# Altium PCB PCB.PcbDoc
Units mm, origin at the board's own origin, x right, y up, seen from the top; angles counter-clockwise.
Board outline 86 x 86 mm, 2 copper layers (Top Layer, Bottom Layer); 60 components, 63 nets, 277 pads, 87 vias.
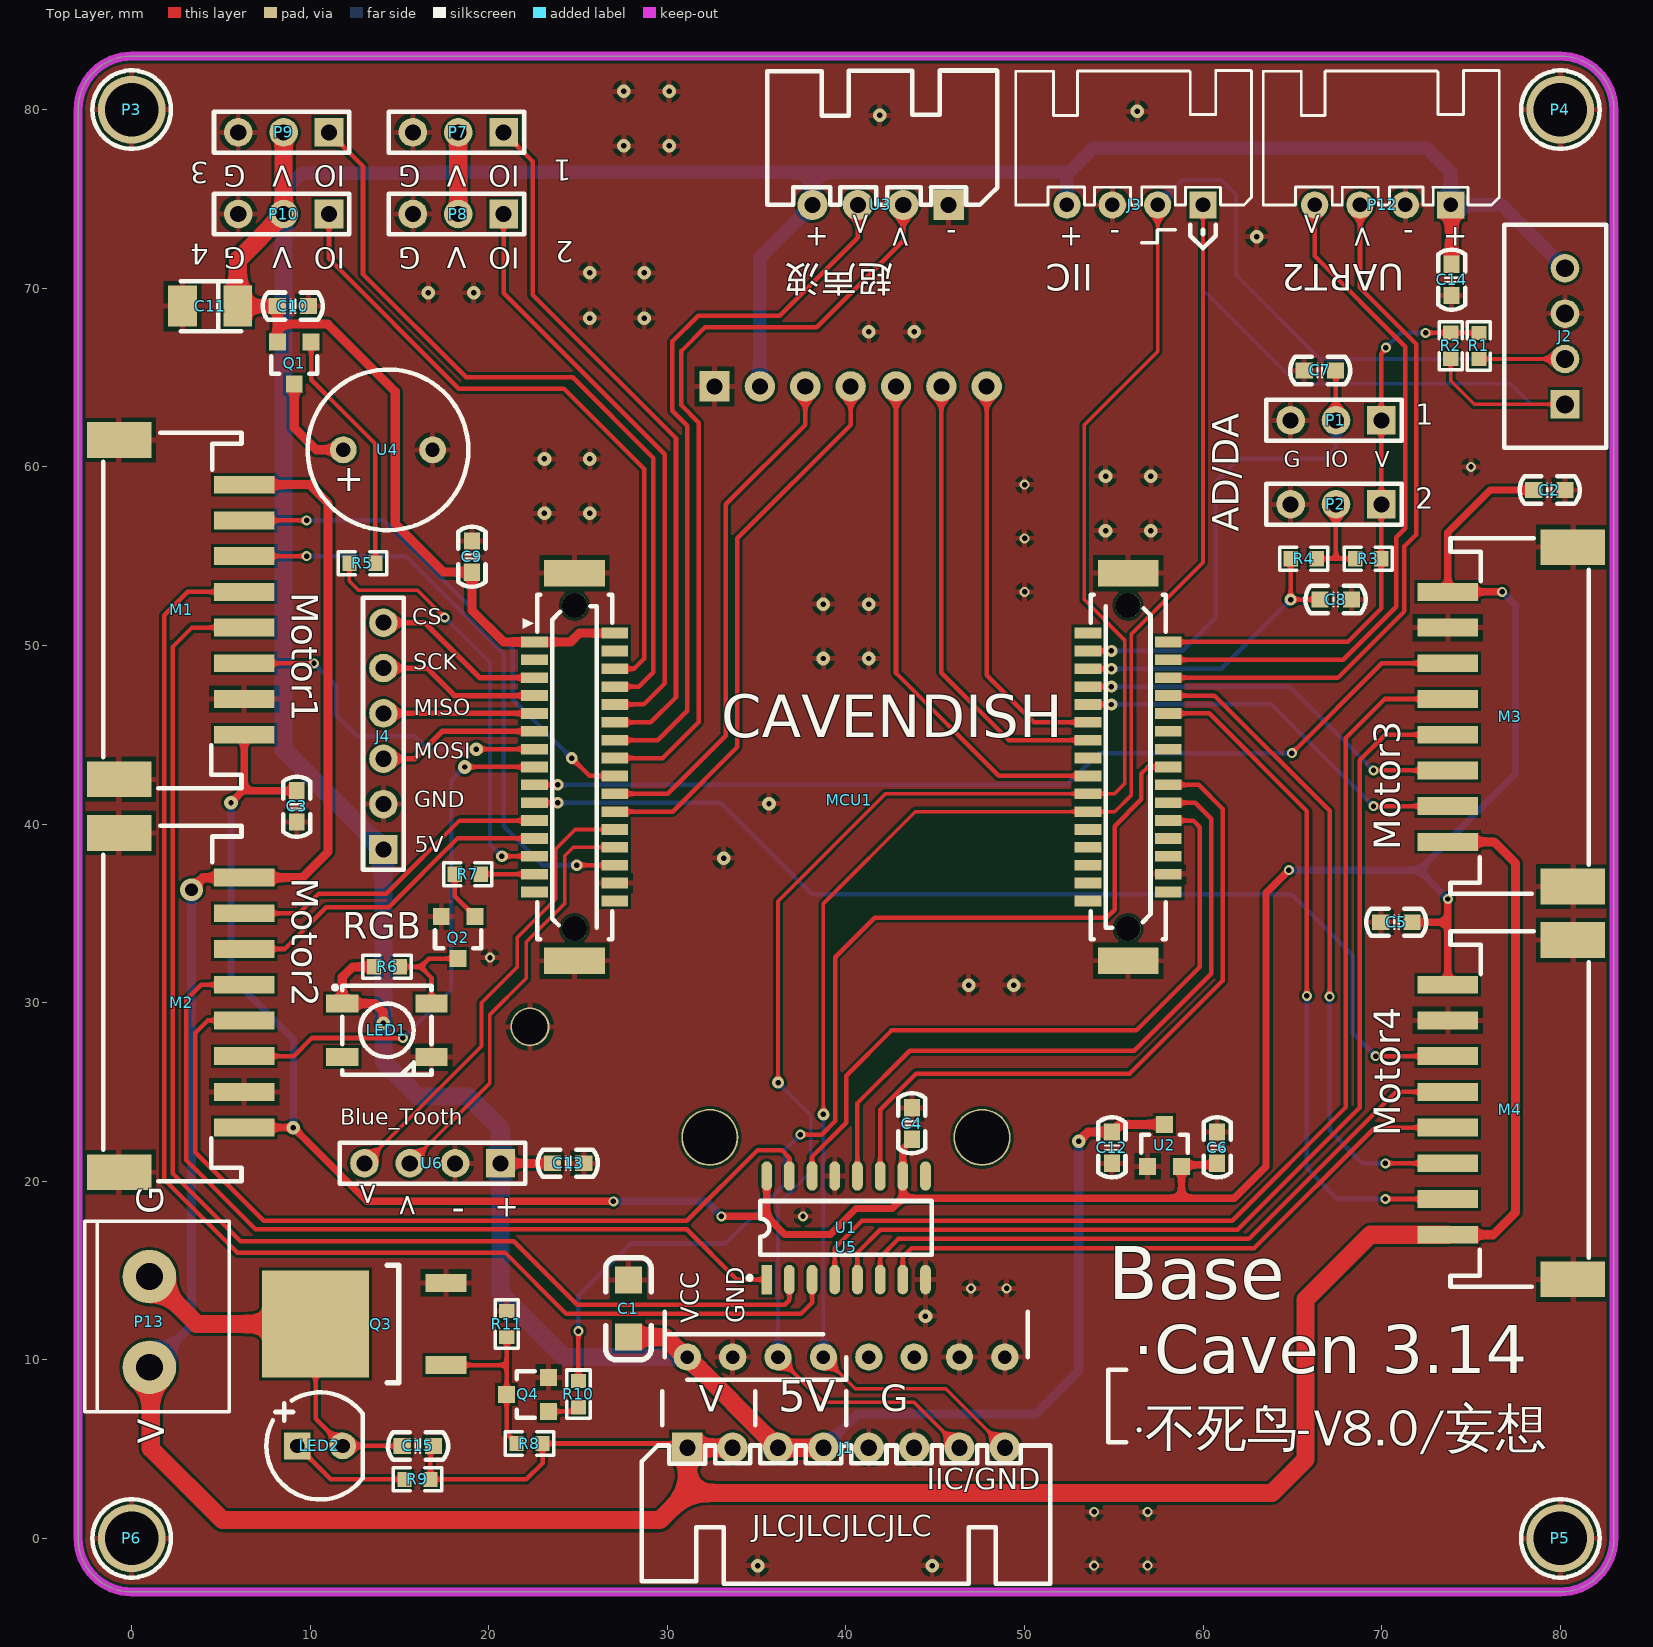
[diagram p0: Top Layer view]
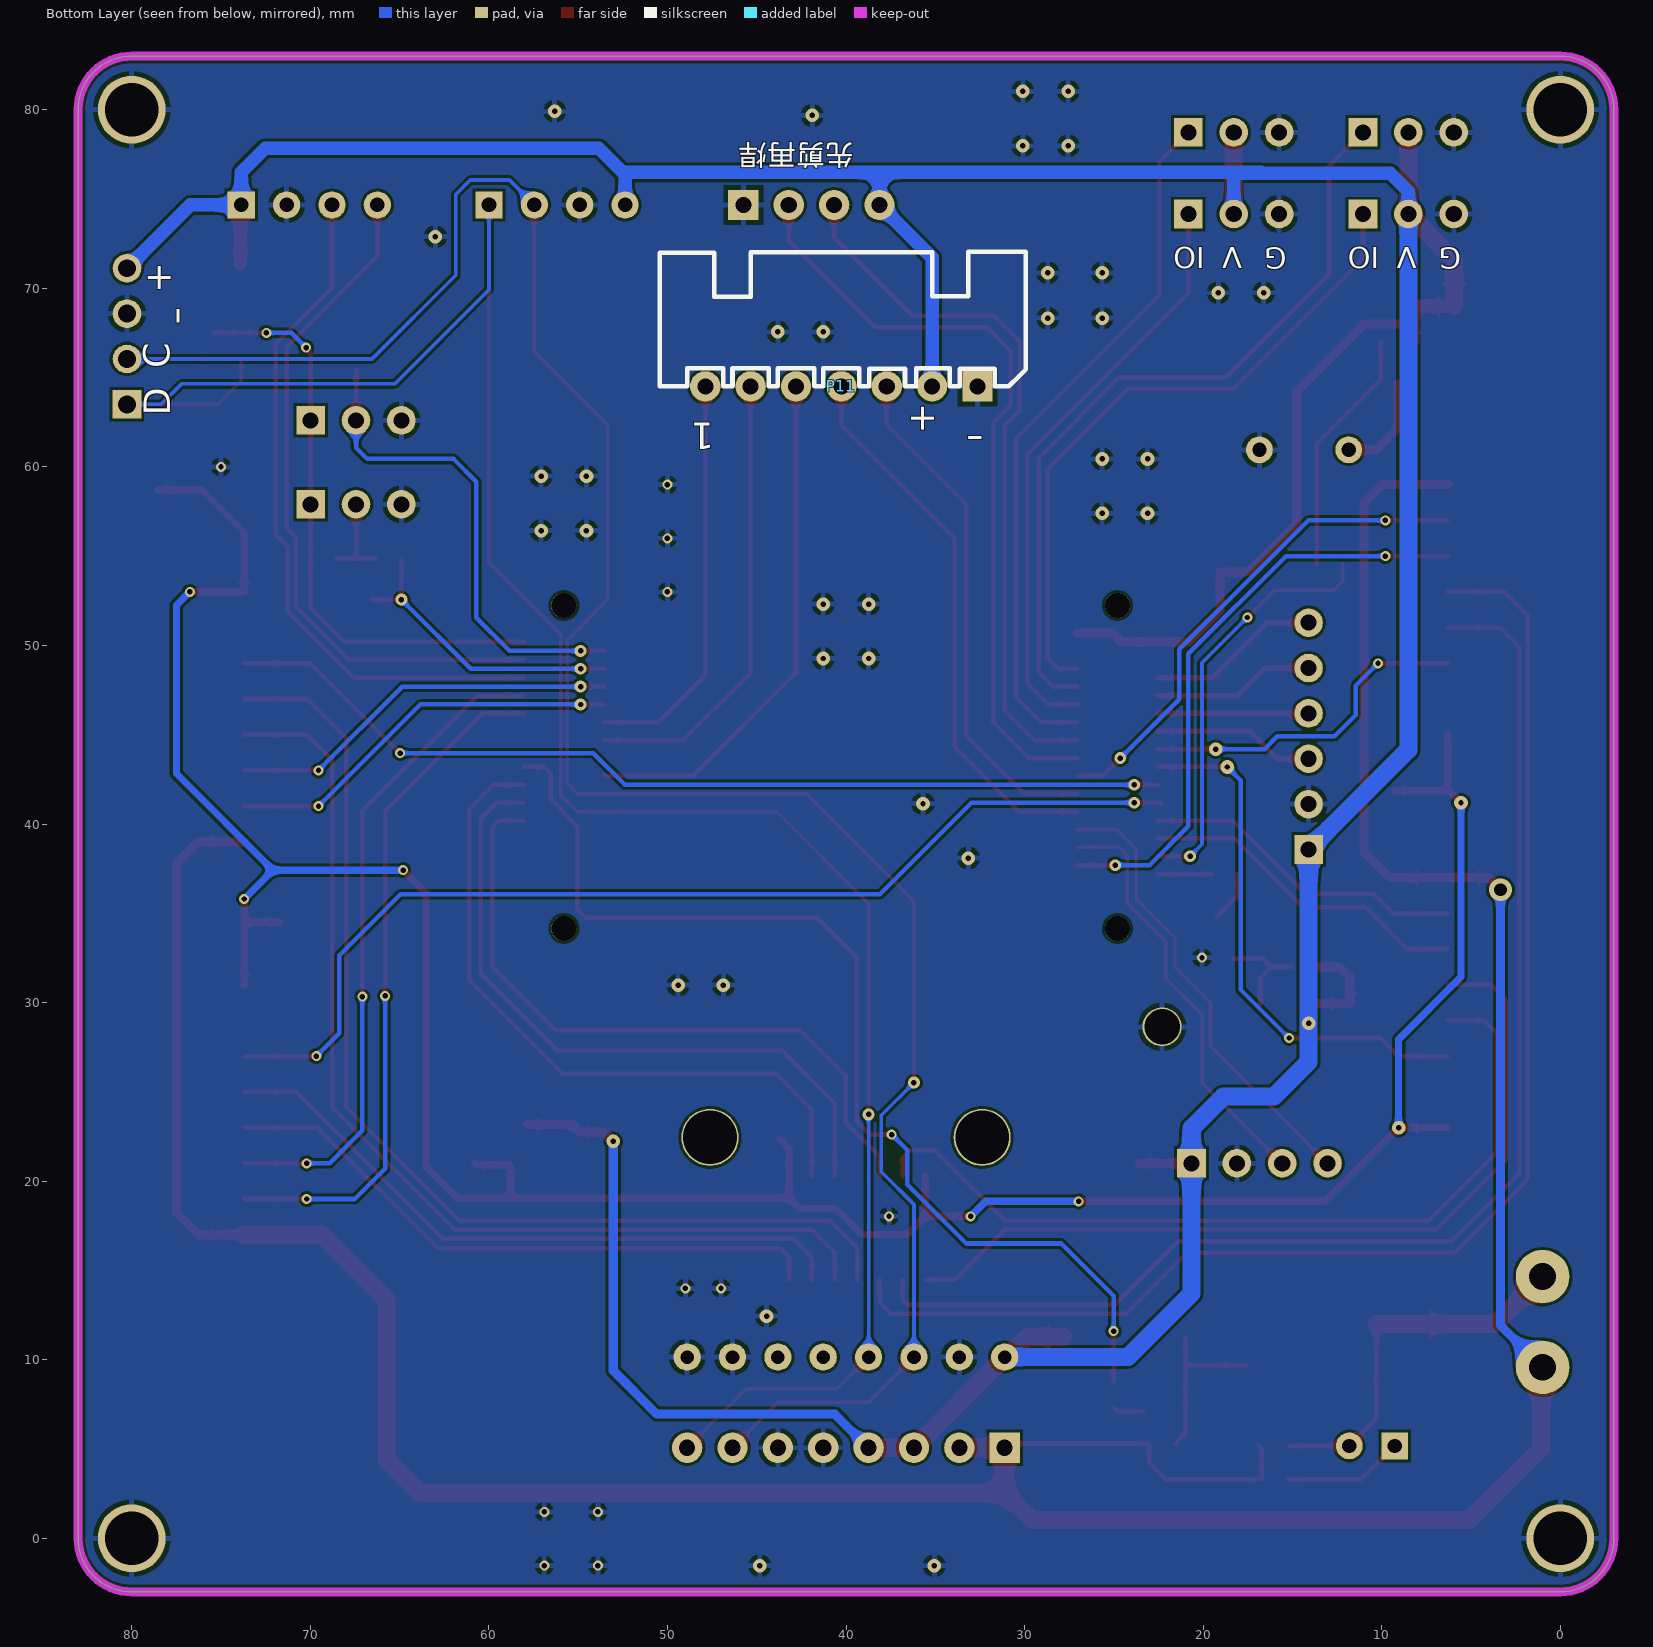
[diagram p1: Bottom Layer view, seen from below]

## Layer stack, top to bottom
Top Solder: solder mask 0.0102, Solder Resist, Dk 3.5
Top Layer: signal copper 0.0356
Dielectric 1: dielectric 0.32, FR-4, Dk 4.8
Bottom Layer: signal copper 0.0356
Bottom Solder: solder mask 0.0102, Solder Resist, Dk 3.5

## Board outline
-3,0 -3,80 cw(c0,80) 0,83 80,83 cw(c80,80) 83,80 83,0 cw(c80,0) 80,-3 0,-3 cw(c0,0)

## Design rules (kind name [scope] priority, off if disabled: settings)
Clearance [All] p1: gap=0.152 ignorepadtopadclearanceinfootprint=TRUE
HoleSize [All] p1: absolutevalues=TRUE maxlimit=10.16 minlimit=0.025 maxpercent=80.000 minpercent=20.000
HoleToHoleClearance [All] p1: gap=0.152 allowstackedmicrovias=TRUE
MinimumSolderMaskSliver [All] p1: minsoldermaskwidth=0.102
PlaneConnect [All] p1: planeconnectstyle=Relief reliefexpansion=0.508 reliefentries=4 reliefconductorwidth=0.381 reliefairgap=0.254
PolygonConnect [All] p1: connectstyle=Relief reliefconductorwidth=0.305 reliefentries=4 polygonreliefangle="90 Angle" airgapwidth=0.254
RoutingVias [All] p1: holewidth=0.711 width=1.27 viastyle="Through Hole" minholewidth=0.305 minwidth=0.508 maxholewidth=0.711 maxwidth=1.27
SilkToSilkClearance [All] p1: silktosilkclearance=0
SilkToSolderMaskClearance [IsPad] p1: minsilkscreentomaskgap=0 clearancetoexposedcopper=TRUE
SolderMaskExpansion [All] p1: expansion=0.102 istentingtop=FALSE
Width [All] p1: maxlimit=1.524 minlimit=0.152 preferedwidth=0.254
24 further rules are at their usual default settings.

## Components (designator, comment, footprint, x,y, rotation, side; value= is the part's Value field where it differs from the comment)
C1 "10UF" CAP_1206 27.788,11.268 r90 top
C2 "100NF" CAP_0603 78.511,58.699 r0 top locked
C3 "100NF" CAP_0603 9.246,41.859 r270 top
C4 "100NF" CAP_0603 43.688,22.352 r90 top
C5 "100NF" CAP_0603 71.7,34.5 r180 top
C6 "100NF" CAP_0603 60.782,21 r90 top
C7 "100NF" CAP_0603 65.659,65.395 r0 top
C8 "100NF" CAP_0603 68.301,52.568 r180 top
C9 "100NF" CAP_0603 19.05,55.855 r270 top
C10 "100NF" CAP_0603 9.906,69 r180 top
C11 "100UF" CAP_3528_B 4.394,69 r0 top
C12 "100NF" CAP_0603 54.889,21 r90 top
C13 "100NF" CAP_0603 25.317,21 r180 top
C14 "100NF" CAP_0603 73.914,69.596 r90 top
C15 "100NF" CAP_0603 15.146,5.174 r0 top
J1 "Brid_妄想" Brid 31.115,5.07 r0 top
J2 "IIC" XH_2.54_4P 80.264,67.31 r90 top
J3 "IIC" IIC-XH2.54-4PIN 59.991,74.666 r180 top
J4 "SPI" "Header 2.54X6" 14.097,44.923 r90 top
LED1 "WS2812B" 5050-RGB 11.791,29.949 r0 top
LED2 "LED_R/G/B/Y" LED_5MM 10.544,5.174 r0 top
M1 "Motor" PH_2.0_8P -0.699,61.501 r270 top
M2 "Motor" PH_2.0_8P -0.699,39.501 r270 top
M3 "Motor" PH_2.0_8P 80.699,36.499 r90 top
M4 "Motor" PH_2.0_8P 80.699,14.499 r90 top
MCU1 "Caven_V3.14" CAVEN_3.14 22.301,28.643 r0 top locked
P1 "Header 3" "Header 2.54X3" 67.437,62.601 r180 top
P2 "Header 3" "Header 2.54X3" 67.437,57.902 r180 top
P3 "铜柱6m" M3x6_L-Type 0,80 r0 top
P4 "铜柱6m" M3x6_L-Type 80,80 r0 top
P5 "铜柱6m" M3x6_L-Type 80,0 r0 top
P6 "铜柱6m" M3x6_L-Type 0,0 r0 top
P7 "Header3" PWM_Steer-F 20.828,78.73 r180 top
P8 "Header3" PWM_Steer-B 20.828,74.158 r180 top
P9 "Header3" PWM_Steer-F 11.049,78.73 r180 top
P10 "Header3" PWM_Steer-B 11.049,74.158 r180 top
P11 "Header 7" XH2.54-WI-7P 40.259,64.506 r0 bottom
P12 "UART" UART 73.863,74.666 r180 top
P13 "OUT" PIN-2_5.08 0.991,9.576 r90 top locked
Q1 "PNP" SOT23_3 9.103,65.805 r90 top
Q2 "NPN" SOT23_3 18.285,33.639 r90 top
Q3 "MOS_N" TO252_2 12,12 r180 top
Q4 "NPN" SOT23_3 22.175,8.058 r0 top
R1 "10K" RESC_0603_2 75.438,66.77 r270 top
R2 "10K" RESC_0603_2 73.863,66.777 r270 top
R3 "Xk" RESC_0603_2 69.247,54.854 r0 top
R4 "1K" RESC_0603_2 65.627,54.854 r180 top
R5 "1K" RESC_0603_2 12.922,54.6 r180 top
R6 "330R" RESC_0603_2 14.3,32.004 r0 top
R7 "1K" RESC_0603_2 18.821,37.186 r180 top
R8 "10K" RESC_0603_2 22.276,5.309 r180 top
R9 "10K" RESC_0603_2 16.002,3.302 r180 top
R10 "10K" RESC_0603_2 25.019,8.077 r270 top
R11 "10K" RESC_0603_2 21,12 r90 top
U1 "74HC595" SOIC_16 40.005,17.389 r0 top
U2 "662K-3.3" SOT23_3 57.836,22 r270 top
U3 "HC-SR04" Ultrasonic 45.745,74.666 r180 top
U4 "BEE" BEE-FMQ5mm 11.851,60.95 r0 top
U5 "MPU_6050" MPU-G521 32.375,22.45 r0 top locked
U6 "HC12" "Header F 2.54X4" 16.843,21 r180 top

## Footprints (in the part's own frame and the unit in brackets; to place one, negate y for a bottom-side part, rotate by r counter-clockwise, add the part's x,y. Pads: shape width x height; smd on the part's side, far side on the other; paste and mask are expansions set on the pad)
5050-RGB [mm]
  rect 1.801x1.001 smd mask+0.051: 1(0,0) 2(0,-3) 3(4.999,-3) 4(4.999,0)
  silkscreen extent -0.5,-4 5,1, body extent -0.15,-4 5.15,1, height 1.61
BEE-FMQ5mm [mm]
  round 1.5 hole 0.8: 1(0,0) 2(5,0)
  silkscreen extent -2,-4.5 7,4.5, body extent -2,-4.5 7,4.5, height 4.5
Brid [mm]
  rect 1.7x1.7 hole 0.9: 1(0,0)
  round 1.7 hole 0.9: 2(2.54,0) 3(5.08,0) 4(7.62,0) 5(10.16,0) 6(12.7,0) 7(15.24,0) 8(17.78,0)
  silkscreen extent -2.54,-7.62 20.32,3.17, body extent -2.5,-7.35 20.28,0.35, height 5.75
CAP_0603 [mil]
  rect 38x35 smd: 1(0,0) 2(69,0)
  silkscreen extent -31,-30 101,30, body extent 4,-16 67,16, height 12
CAP_1206 [mil]
  rect 60x60 smd: 1(0,-1) 2(126,-1)
  silkscreen extent -50,-51 175,49, body extent 0,-32 126,31, height 39
CAP_3528_B [mm]
  rect 1.6x2.3 smd: 1(1.55,0) 2(-1.55,0)
  silkscreen extent -1.65,-1.4 1.75,1.4, body extent -1.75,-1.4 1.75,1.4, height 1.9
CAVEN_3.14 [mm]
  round 2.184 hole 1.981: 0(0,0)
  rect 3.4x1.5 smd: 0(2.5,3.7) 0(2.5,25.4) 0(33.5,3.7) 0(33.5,25.4)
  rect 1.5x0.6 smd: 1(0.25,21.55) 2(0.25,20.55) 3(0.25,19.55) 4(0.25,18.55) 5(0.25,17.55) 6(0.25,16.55) 7(0.25,15.55) 8(0.25,14.55) 9(0.25,13.55) 10(0.25,12.55) 11(0.25,11.55) 12(0.25,10.55) 13(0.25,9.55) 14(0.25,8.55) 15(0.25,7.55) 16(4.75,7.05) 17(4.75,8.05) 18(4.75,9.05) 19(4.75,10.05) 20(4.75,11.05) 21(4.75,12.05) 22(4.75,13.05) 23(4.75,14.05) 24(4.75,15.05) 25(4.75,16.05) 26(4.75,17.05) 27(4.75,18.05) 28(4.75,19.05) 29(4.75,20.05) 30(4.75,21.05) 31(4.75,22.05) 32(31.25,22.05) 33(31.25,21.05) 34(31.25,20.05) 35(31.25,19.05) 36(31.25,18.05) 37(31.25,17.05) 38(31.25,16.05) 39(31.25,15.05) 40(31.25,14.05) 41(31.25,13.05) 42(31.25,12.05) 43(31.25,11.05) 44(31.25,10.05) 45(31.25,9.05) 46(31.25,8.05) 47(31.25,7.05) 48(35.75,7.55) 49(35.75,8.55) 50(35.75,9.55) 51(35.75,10.55) 52(35.75,11.55) 53(35.75,12.55) 54(35.75,13.55) 55(35.75,14.55) 56(35.75,15.55) 57(35.75,16.55) 58(35.75,17.55) 59(35.75,18.55) 60(35.75,19.55) 61(35.75,20.55) 62(35.75,21.55)
  round 1.4 hole 1.4 unplated: ""(2.5,5.5) ""(2.5,23.6) ""(33.5,5.5) ""(33.5,23.6)
  silkscreen extent -0.4,4.9 35.6,24.2, body extent -1.97,-2.11 38.03,36.49, height 9.51
"Header 2.54X3" [mm]
  rect 1.6x1.6 hole 0.9: 1(-2.54,0)
  round 1.6 hole 0.9: 2(0,0) 3(2.54,0)
  silkscreen extent -3.68,-1.14 3.9,1.14, body extent -3.68,-1.23 3.94,1.27, height 8.3
"Header 2.54X6" [mm]
  rect 1.6x1.6 hole 0.9: 1(-6.35,0)
  round 1.6 hole 0.9: 2(-3.81,0) 3(-1.27,0) 4(1.27,0) 5(3.81,0) 6(6.35,0)
  silkscreen extent -7.49,-1.14 7.75,1.14, body extent -7.49,-1.23 7.75,1.27, height 8.3
"Header F 2.54X4" [mm]
  rect 1.6x1.6 hole 0.9: 1(-3.81,0)
  round 1.6 hole 0.9: 2(-1.27,0) 3(1.27,0) 4(3.81,0)
  silkscreen extent -5.2,-1.14 5.19,1.14, body extent -5.21,-1.25 5.21,1.25, height 8.6
IIC-XH2.54-4PIN [mil] "-XH2.54-4PIN-"
  rect 60x60 hole 32: 1(0,0)
  round 60 hole 32: 2(100,0) 3(200,0) 4(300,0)
  silkscreen extent -107,-296 413,96, body extent -105,-300 415,11, height 236
LED_5MM [mm]
  rect 1.5x1.5 hole 0.8: 1(-1.27,0)
  round 1.5 hole 0.8: 2(1.27,0)
  silkscreen extent -3,-3 2.4,3, body extent -3,-3 2.5,3, height 8.5
M3x6_L-Type [mm] "M3铜柱，长：6mm"
  round 3.8 hole 3: 1(0,0)
  silkscreen extent -2.2,-2.2 2.2,2.2, body extent -2.7,-2.35 2.7,2.35, height 8.55
MPU-G521 [mil]
  round 125.98 hole 118.11: 0(0,0) 0(600,0)
  round 60 hole 30: 1(-49.61,-484.25) 2(50.39,-484.25) 3(150.39,-484.25) 4(250.39,-484.25) 5(350.39,-484.25) 6(450.39,-484.25) 7(550.39,-484.25) 8(650.39,-484.25)
  silkscreen extent -100,-534 700,-384, body extent -106,-534 706,98, height 652
PH_2.0_8P [mm]
  rect 2x3.6 smd: 0(0,0) 0(19.001,0)
  rect 1x3.4 smd: 1(16.501,6.999) 2(14.502,6.999) 3(12.501,6.999) 4(10.501,6.999) 5(8.501,6.999) 6(6.501,6.999) 7(4.502,6.999) 8(2.501,6.999)
  silkscreen extent -0.4,-0.9 19.5,6.85, body extent -0.5,-1.6 19.5,8.4, height 5.3
PIN-2_5.08 [mm]
  round 3 hole 1.5: 1(0,0) 2(5.08,0)
  silkscreen extent -2.49,-4.47 8.18,3.61, body extent -2.48,-4.58 8.12,3.02, height 10
PWM_Steer-B [mm]
  rect 1.6x1.6 hole 0.9: 1(0,0)
  round 1.6 hole 0.9: 2(2.54,0) 3(5.08,0)
  silkscreen extent -1.14,-1.14 6.44,1.14, body extent -1.27,-7.01 6.35,1.26, height 4.43
PWM_Steer-F [mm]
  rect 1.6x1.6 hole 0.9: 1(0,0)
  round 1.6 hole 0.9: 2(2.54,0) 3(5.08,0)
  silkscreen extent -1.14,-1.14 6.44,1.14, body extent -1.27,-7.01 6.35,1.26, height 4.43
RESC_0603_2 [mm]
  rect 0.8x0.85 smd: 1(-0.73,0) 2(0.73,0)
  silkscreen extent -1.35,-0.65 1.35,0.65, body extent -0.8,-0.4 0.8,0.4, height 0.38
SOIC_16 [mm]
  rect 0.6x1.65 smd: 1(-4.445,-2.9)
  oval 0.6x1.65 smd: 2(-3.175,-2.9) 3(-1.905,-2.9) 4(-0.635,-2.9) 5(0.635,-2.9) 6(1.905,-2.9) 7(3.175,-2.9) 8(4.445,-2.9) 9(4.445,2.9) 10(3.175,2.9) 11(1.905,2.9) 12(0.635,2.9) 13(-0.635,2.9) 14(-1.905,2.9) 15(-3.175,2.9) 16(-4.445,2.9)
  silkscreen extent -5.5,-2.9 4.8,1.5, body extent -5.15,-3.03 5.15,3.03, height 1.95
SOT23_3 [mm]
  rect 0.95x0.95 smd: 1(1.175,-0.95) 2(1.175,0.95) 3(-1.175,0)
  silkscreen extent -0.6,-1.3 0.4,1.3, body extent -1.34,-1.5 1.3,1.5, height 1.08
TO252_2 [mm]
  rect 2.3x1 smd: 1(-5.6,2.3) 2(-5.6,-2.3)
  rect 6x6 smd: 3(1.7,0)
  silkscreen extent -2.95,-3.29 -2.29,3.29, body extent -5.5,-3.29 4.2,3.29, height 2.3
UART [mil] "-XH2.54-4PIN"
  rect 60x60 hole 32: 1(0,0)
  round 60 hole 32: 2(100,0) 3(200,0) 4(300,0)
  silkscreen extent -107,-296 413,0, body extent -105,-300 415,11, height 236
Ultrasonic [mm] "-XH2.54-4PIN"
  round 1.7 hole 0.9: 1(7.62,0) 2(5.08,0) 3(2.54,0)
  rect 1.7x1.7 hole 0.9: 4(0,0)
  silkscreen extent -2.72,-7.53 10.16,0, body extent -2.5,-7.35 10.12,0.35, height 5.73
XH2.54-WI-7P [mm] "接插件，7P"
  rect 1.7x1.7 hole 0.9: 1(-7.62,0)
  round 1.7 hole 0.9: 2(-5.08,0) 3(-2.54,0) 4(0,0) 5(2.54,0) 6(5.08,0) 7(7.62,0)
  silkscreen extent -10.34,-7.53 10.16,0, body extent -10.12,-7.35 10.12,0.35, height 5.75
XH_2.54_4P [mm]
  rect 1.6x1.6 hole 1: 1(-3.81,0)
  round 1.6 hole 1: 2(-1.27,0) 3(1.27,0) 4(3.81,0)
  silkscreen extent -6.25,-2.3 6.25,3.4, body extent -6.25,-2.3 6.25,3.4, height 7

## Part data
C1 C2 C3 C4 C5 C6 C7 C8 C9 C10 C12 C13 C14 C15: library part CAP, "CAP  12~50V"
C11: library part CAP_TA, "CAP  6~12V  钽电容"
J1: library part Brid, "Brid"
J2 J3 J4: "Heard"
LED1: "LED"
LED2: library part LED, "LED"
M1 M2 M3 M4: library part Motor-Brushed-port, "Motor-Brushed-port,XH-1.25mm"
MCU1: "MCU_STM32F103RE"
P1 P2: "Header, 3-Pin", LatestRevisionDate=17-Jul-2002, LatestRevisionNote="Re-released for DXP Platform.", Publisher="Altium Limited"
P3 P4 P5 P6: library part Pillar, "IN-OUT"
P7 P8 P9 P10: library part PWM_D, "Header"
P11: "Header, 7-Pin", LatestRevisionDate=17-Jul-2002, LatestRevisionNote="Re-released for DXP Platform.", Publisher="Altium Limited"
P12: "Header"
P13: library part "IN _2PIN", "Header"
Q3: library part MOSFET_N, "MOS"
R1 R2 R3 R4 R5 R6 R7 R8 R9 R10 R11: library part RES, "RES 贴片"
U1: "IC"
U2: library part 662K, "DC-DC"
U3: library part Ultrasonic, "Mode"
U4: library part BZZ
U5: "MODE"
U6: library part HC-12, "MODE"

## Via types
v1: diameter 0.762, hole 0.305, Top Layer to Bottom Layer, tented both sides, 40 vias
v2: diameter 0.559, hole 0.305, Top Layer to Bottom Layer, tented both sides, 34 vias
v3: diameter 0.66, hole 0.305, Top Layer to Bottom Layer, tented both sides, 12 vias
v4: diameter 1.27, hole 0.711, Top Layer to Bottom Layer, 1 vias

## Nets (pads, with @x,y where several pads share a name; then routed paths per layer and width w, separated by ;. In a path a pad name is that pad's centre, name@x,y a point inside that pad or via, vN(x,y) a via of type N, cw(c..) or ccw(c..) an arc to the next point about the centre after c; other vN are vias at no path point)
3V3: C2.1 C3.1 C4.1 C5.1 C6.1 M1.1 M2.1 M3.1 M4.1 U1.10 U1.16 U2.2 | length 161.4
  Top Layer w0.406: v1(5.563,41.199) 6.223,41.859 6.3,41.859 ; M2.1 v1(9.055,23) 13.183,18.872 v2(26.975,18.872) ; M1.1 6.3,41.859 ; C3.1 6.3,41.859 ; v2(33.02,18.034) 35.56,18.034 ; U1.16 35.56,18.034 ; C4.1 43.688,22.314 43.18,21.806 U1.10 43.18,19.05 ; C6.1 60.695,20.912 58.873,20.912 U2.2 58.786,19.05 ; v2(64.795,37.414) 63.525,36.144 63.525,20.828 61.747,19.05 58.786,19.05 ; C5.1 73.7,34.5 ; M4.1 73.7,34.5 ; v2(73.7,35.8) 73.7,34.5 ; v2(76.743,53) M3.1 73.7,56.326 76.073,58.699 C2.1 ; 35.56,18.034 36.576,17.018 39.116,17.018 40.564,18.466 42.596,18.466 43.18,19.05 ; 43.18,19.05 58.786,19.05
  Bottom Layer w0.406: v1(5.563,41.199) 5.563,31.445 9.055,27.953 v1(9.055,23) ; v2(26.975,18.872) 32.182,18.872 v2(33.02,18.034) ; v2(64.795,37.414) 72.086,37.414 ; v2(73.7,35.8) 72.086,37.414 ; v2(76.743,53) 77.495,52.248 77.495,42.824 72.086,37.414
+5: C1.1 C9.2 C10.2 C11.1 C12.2 C13.2 C14.2 J1.3 J1.4 J2.4 J3.4 J4.1 LED1.1 MCU1.1 MCU1.31 P7.2 P8.2 P9.2 P10.2 P11.2 P12.1 Q1.2 R6.1 U2.3 U3.1 U5.1 U6.1 | length 287.4
  Top Layer w0.508: Q1.2 8.153,67.99 ; C10.2 8.153,67.99 ; R6.1 12.37,32.004 11.791,31.425 LED1.1 13.612,29.949 14.097,29.464 v1(14.097,28.842) ; U6.1 C13.2 ; MCU1.31 25.074,50.693 24.574,50.193 MCU1.1 20.825,50.193 19.05,51.968 C9.2 17.475,54.102 14.757,56.82 14.757,64.211 10.979,67.99 8.153,67.99 ; v1(53.035,22.225) 53.563,22.753 C12.2 ; C12.2@55.118,22.981 55.312,23.175 U2.3
  Top Layer w0.762: C11.1 C10.2 ; P12.1 73.914,74.615 C14.2@73.914,71.374
  Top Layer w1.016: C11.1 5.944,71.593 P10.2 P9.2 ; P8.2 P7.2 ; C1.1 29.86,11.268 30.978,10.15 U5.1 J1.3 J1.4
  Bottom Layer w0.508: J1.4 40.625,6.96 50.597,6.96 53.035,9.398 v1(53.035,22.225)
  Bottom Layer w0.762: P10.2@8.255,74.285 8.509,74.539 8.509,75.428 9.525,76.444 18.288,76.444 P8.2 ; 16.764,76.491 38.125,76.491 ; P11.2 35.179,71.72 U3.1 38.125,76.491 ; J3.4 52.371,76.364 ; J2.4 76.718,74.666 P12.1 73.863,76.495 72.517,77.841 53.848,77.841 52.498,76.491 38.125,76.491
  Bottom Layer w1.016: P10.2 8.509,44.161 J4.1 v1(14.097,28.842) 14.097,26.67 16.027,24.74 18.872,24.74 20.653,22.959 U6.1 20.653,13.713 24.216,10.15 U5.1
AD/DA1: C7.2 MCU1.33 P1.2 | length 27.4
  Top Layer w0.254: MCU1.33 v3(54.862,49.693) ; C7.2 67.437,65.37 P1.2
  Bottom Layer w0.254: v3(54.862,49.693) 58.847,49.693 60.706,51.552 60.706,59.172 61.976,60.442 66.802,60.442 67.437,61.077 P1.2
AD/DA2: C8.2 MCU1.34 R4.2 | length 16.9
  Top Layer w0.254: MCU1.34 v3(54.862,48.693) ; R4.2 v3(64.897,52.568) C8.2
  Bottom Layer w0.254: v3(54.862,48.693) 61.022,48.693 v3(64.897,52.568)
BZZ: MCU1.13 R5.2 | length 23.7
  Top Layer w0.203: R5.2 12.192,53.594 12.7,53.086 16.002,53.086 v2(17.526,51.562)
  Top Layer w0.254: v3(20.732,38.193) MCU1.13
  Bottom Layer w0.203: v2(17.526,51.562) 20.066,49.022 20.066,38.859 v3(20.732,38.193)
CAN_RX: MCU1.14 R7.1 | length 3
  Top Layer w0.254: R7.1 19.559,37.193 MCU1.14
DATA: MCU1.52 U1.14 | length 38.5
  Top Layer w0.254: U1.14 38.1,21.361 40.005,23.266 40.005,25.898 42.545,28.438 56.261,28.438 59.817,31.994 59.817,39.817 59.441,40.193 MCU1.52
Echo: MCU1.24 U3.3 | length 43.7
  Top Layer w0.254: MCU1.24 29.733,43.693 31.75,45.71 31.75,62.474 30.785,63.439 30.785,66.487 32.106,67.808 38.354,67.808 43.205,72.659 U3.3
Find_1: MCU1.37 P11.7 | length 22.9
  Top Layer w0.254: P11.7 47.879,48.326 50.512,45.693 MCU1.37
Find_2: MCU1.38 P11.6 | length 25.8
  Top Layer w0.254: P11.6 45.339,48.479 49.124,44.693 MCU1.38
Find_3: MCU1.40 P11.5 | length 29.2
  Top Layer w0.254: P11.5 42.799,48.453 48.559,42.693 MCU1.40
Find_4: MCU1.21 P11.4 | length 31.2
  Top Layer w0.254: MCU1.21 30.289,40.693 33.909,44.313 33.909,55.997 40.259,62.347 P11.4
Find_5: MCU1.22 P11.3 | length 29
  Top Layer w0.254: MCU1.22 30.019,41.693 33.274,44.948 33.274,57.902 37.719,62.347 P11.3
GND: C1.2 C2.2 C3.2 C4.2 C5.2 C6.2 C7.1 C8.1 C9.1 C10.1 C11.2 C12.1 C13.1 C14.1 J1.5 J1.6 J2.3 J3.3 J4.2 LED1.3 M1.0 M1.2 M2.0 M2.2 M3.0 M3.2 M4.0 M4.2 MCU1.0 MCU1.17 MCU1.49 P1.3 P2.3 P3.1 P4.1 P5.1 P6.1 P7.3 P8.3 P9.3 P10.3 P11.1 P12.2 Q2.2 Q3.2 Q4.2 R11.2 U1.8 U1.13 U2.1 U3.4 U4.2 U5.2 U5.7 U5.8 U6.2
  other v1: 35.052,-1.534 44.831,-1.534 44.45,12.446 46.863,30.978 49.403,30.978 33.147,38.09 35.687,41.138 38.735,49.266 41.275,49.266 38.735,52.314 41.275,52.314 54.534,56.429 57.074,56.429 23.114,57.394 25.654,57.394 54.534,59.477 57.074,59.477 23.114,60.442 25.654,60.442 41.275,67.554 43.815,67.554 25.654,68.326 28.702,68.326 16.612,69.748 19.152,69.748 25.654,70.866 28.702,70.866 62.992,72.888 27.559,77.978 30.099,77.978 41.885,79.68 56.312,79.908 27.559,81.026 30.099,81.026
  other v2: 53.896,-1.524 56.896,-1.524 53.896,1.476 56.896,1.476 47,14 49,14 37.592,18.034 20.066,32.512 50,53 50,56 50,59 75,60
M1_EA: M1.6 MCU1.18 | length 33.6
  Top Layer w0.254: M1.6 v2(9.8,55) ; v3(24.923,37.693) MCU1.18
  Bottom Layer w0.254: v2(9.8,55) 15.358,55 20.828,49.53 20.828,39.868 23.003,37.693 v3(24.923,37.693)
M1_EB: M1.7 MCU1.23 | length 28.3
  Top Layer w0.254: M1.7 v2(9.8,56.999) ; v3(24.638,43.688) 25.633,42.693 MCU1.23
  Bottom Layer w0.254: v2(9.8,56.999) 14.121,56.999 17.995,53.125 21.336,49.784 21.336,46.99 23.911,44.415 v3(24.638,43.688)
M1_N1: M1.4 U1.2 | length 72.8
  Top Layer w0.254: M1.4 3.374,50.999 2.311,49.936 2.311,20.422 6.096,16.637 21.387,16.637 24.953,13.071 36.576,13.071 36.83,13.325 U1.2
M1_N2: M1.5 U1.3 | length 77.6
  Top Layer w0.254: M1.5 3.14,53 1.829,51.689 1.829,20.091 5.918,16.002 20.904,16.002 24.343,12.563 37.465,12.563 38.1,13.198 U1.3
M2_EA: M2.6 MCU1.12 | length 18.8
  Top Layer w0.254: M2.6 8.565,33 10.897,35.331 14.386,35.331 18.248,39.193 MCU1.12
M2_EB: M2.7 MCU1.11 | length 18.4
  Top Layer w0.254: M2.7 9.37,34.999 10.465,36.093 14.259,36.093 18.359,40.193 MCU1.11
M2_N1: M2.5 U1.1 | length 47.9
  Top Layer w0.254: M2.5 3.898,31 3.048,30.15 3.048,21.184 6.934,17.297 31.09,17.297 33.898,14.489 U1.1
M2_N2: M2.4 U1.15 | length 47.4
  Top Layer w0.254: M2.4 4.26,28.999 3.556,28.296 3.556,21.615 7.391,17.78 31.09,17.78 35.052,21.742 36.408,21.742 36.83,21.321 U1.15
M3_EA: M3.6 MCU1.35 | length 22.1
  Top Layer w0.254: MCU1.35 v3(54.862,47.693) ; v2(69.54,43) M3.6
  Bottom Layer w0.254: v3(54.862,47.693) 64.847,47.693 v2(69.54,43)
M3_EB: M3.7 MCU1.36 | length 22.6
  Top Layer w0.254: MCU1.36 v3(54.862,46.693) ; v2(69.54,41.001) M3.7 M3.7@73.655,41.046
  Bottom Layer w0.254: v3(54.862,46.693) 63.848,46.693 v2(69.54,41.001)
M3_N1: M3.4 U1.4 | length 60.9
  Top Layer w0.254: U1.4 39.37,16.256 40.894,17.78 61.62,17.78 67.996,24.155 67.996,44.831 70.165,47.001 M3.4
M3_N2: M3.5 U1.5 | length 58
  Top Layer w0.254: U1.5 40.64,16.002 41.91,17.272 61.925,17.272 68.758,24.105 68.758,43.561 70.197,45 M3.5
M4_EA: M4.6 MCU1.59 | length 37
  Top Layer w0.254: MCU1.59 60.63,47.193 67.081,40.742 v2(67.081,30.328) ; v2(70.2,21) M4.6
  Bottom Layer w0.254: v2(67.081,30.328) 67.081,22.835 68.916,21 v2(70.2,21)
M4_EB: M4.7 MCU1.58 | length 38.6
  Top Layer w0.254: MCU1.58 60.334,46.193 65.811,40.716 v2(65.811,30.378) ; v2(70.2,19.001) M4.7
  Bottom Layer w0.254: v2(65.811,30.378) 65.811,20.701 67.511,19.001 v2(70.2,19.001)
M4_N1: M4.4 U1.6 | length 36.9
  Top Layer w0.254: U1.6 41.91,15.748 42.926,16.764 62.56,16.764 70.797,25.001 M4.4
M4_N2: M4.5 U1.7 | length 34.8
  Top Layer w0.254: U1.7 43.18,15.748 43.688,16.256 62.865,16.256 69.609,23 M4.5
MISO: J4.4 MCU1.5 | length 8.5
  Top Layer w0.305: J4.4 MCU1.5
MOS: MCU1.55 R10.1 | length 60.2
  Top Layer w0.254: R10.1 v2(25.019,11.602) ; v2(37.44,22.606) 38.633,22.606 39.395,23.368 39.395,32.537 41.605,34.747 54.585,34.747 55.042,35.204 55.042,39.878 56.54,41.377 56.54,42.824 56.909,43.193 MCU1.55
  Bottom Layer w0.254: v2(25.019,11.602) 25.019,13.589 27.94,16.51 33.274,16.51 36.576,19.812 36.576,21.742 v2(37.44,22.606)
MOSI: J4.3 MCU1.6 | length 9.1
  Top Layer w0.305: J4.3 15.85,43.653 17.39,45.193 MCU1.6
NetLED1_4: LED1.4 Q2.3 R6.2 | length 5.8
  Top Layer w0.254: R6.2 16.18,32.004 ; LED1.4 16.789,31.394 16.18,32.004 ; Q2.3 16.64,32.464 16.18,32.004
NetLED2_1: LED2.1 R9.2 | length 6.8
  Top Layer w0.254: LED2.1 11.146,3.302 R9.2
NetP2_2: P2.2 R3.1 R4.1 | length 6.3
  Top Layer w0.254: P2.2 67.437,54.854 ; R3.1 67.437,54.854 ; 67.437,54.854 R4.1 67.437,54.854
NetQ1_1: Q1.1 R5.1 | length 13.9
  Top Layer w0.254: Q1.1 10.053,64.877 11.662,63.268 13.652,61.278 R5.1
NetQ1_3: Q1.3 U4.1 | length 5.7
  Top Layer w0.508: Q1.3 9.103,62.194 10.339,60.959 11.842,60.959 U4.1 ; U4.1@11.835,61.442 U4.1@11.851,61.458
NetQ2_1: Q2.1 R7.2 | length 2.8
  Top Layer w0.254: R7.2 18.091,35.958 Q2.1
NetQ3_1: Q3.1 Q4.3 R8.2 R11.1 | length 9.6
  Top Layer w0.254: Q3.1 21,9.7 ; R11.1 21,9.7 ; R8.2 21.546,5.334 21,5.879 Q4.3 21,9.7
NetQ4_1: Q4.1 R10.2 | length 1.8
  Top Layer w0.254: Q4.1 24.779,7.108 R10.2
NSS2_2: J4.6 MCU1.3 | length 9.7
  Top Layer w0.305: J4.6 16.408,51.273 19.488,48.193 MCU1.3
O/F: MCU1.53 U1.12 | length 38.4
  Top Layer w0.254: U1.12 40.64,24.374 43.561,27.295 56.134,27.295 60.452,31.613 60.452,40.3 59.559,41.193 MCU1.53
OUT-: C15.1 LED2.2 P13.2 Q3.3 | length 21.2
  Top Layer w0.254: Q3.3 10.3,6.688 LED2.2 C15.1
  Top Layer w1.016: P13.2 3.646,12 Q3.3
SCK: J4.5 MCU1.4 | length 9.1
  Top Layer w0.305: J4.5 16.535,48.733 18.075,47.193 MCU1.4
SCL: J1.7 J2.2 J3.2 MCU1.41 R1.2 U5.3 | length 131.5
  Top Layer w0.203: U5.3 38.735,7.61 43.815,7.61 J1.7 ; v3(36.195,25.517) 36.195,35.677 42.211,41.693 MCU1.41 55.038,41.693 55.601,42.256 55.601,50.307 53.34,52.568 53.34,62.347 57.451,66.458 J3.2 ; R1.2 J2.2
  Bottom Layer w0.203: U5.3 36.195,18.695 38.024,20.524 38.024,23.688 v3(36.195,25.517) ; J3.2 58.848,76.063 61.036,76.063 61.849,75.25 61.849,70.729 66.538,66.04 J2.2
SDA: J1.8 J2.1 J3.1 MCU1.42 R2.2 U5.4 | length 128
  Top Layer w0.203: U5.4 40.513,8.372 45.593,8.372 J1.8 ; v3(38.735,23.739) 38.735,35.55 43.878,40.693 MCU1.42 55.054,40.693 55.982,41.621 55.982,50.638 59.991,54.647 J3.1 ; R2.2 73.863,64.821 75.184,63.5 J2.1
  Bottom Layer w0.203: U5.4 v3(38.735,23.739) ; J3.1 59.991,69.92 65.268,64.643 77.216,64.643 78.359,63.5 J2.1
SLK: MCU1.54 U1.11 | length 39.1
  Top Layer w0.254: U1.11 41.91,23.993 43.942,26.025 55.88,26.025 61.087,31.232 61.087,40.859 59.752,42.193 MCU1.54
Steer1: MCU1.26 P7.1 | length 39.6
  Top Layer w0.254: P7.1 22.447,77.111 22.447,69.628 30.48,61.595 30.48,47.107 29.066,45.693 MCU1.26
Steer2: MCU1.27 P8.1 | length 33.3
  Top Layer w0.254: P8.1 20.828,69.723 29.845,60.706 29.845,47.869 28.669,46.693 MCU1.27
Steer3: MCU1.28 P9.1 | length 43.7
  Top Layer w0.254: P9.1 12.954,76.825 12.954,70.79 18.73,65.014 24.689,65.014 29.21,60.493 29.21,48.504 28.399,47.693 MCU1.28
Steer4: MCU1.29 P10.1 | length 37.5
  Top Layer w0.254: P10.1 11.049,71.653 18.323,64.379 24.206,64.379 28.702,59.883 28.702,49.266 28.129,48.693 MCU1.29
TIM8_CH1: M1.3 MCU1.7 | length 19.2
  Top Layer w0.254: M1.3 v2(10.208,48.999) ; v1(19.304,44.196) 19.306,44.194 MCU1.7 MCU1.7
  Bottom Layer w0.254: v2@10.185,48.999 v2@10.197,48.988 ; v2(10.208,48.999) 11.455,47.752 11.455,46.101 12.649,44.907 15.85,44.907 16.561,44.196 v1(19.304,44.196)
TIM8_CH2: M2.3 MCU1.8 | length 29.6
  Top Layer w0.254: M2.3 9.067,26.999 10.084,28.016 v2(15.189,28.016) ; v1@18.898,43.193 MCU1.8
  Bottom Layer w0.254: v2(15.189,28.016) 17.907,30.734 17.907,42.456 v1(18.644,43.193)
TIM8_CH3: M3.3 MCU1.9 | length 54
  Top Layer w0.254: MCU1.9 v3(23.862,42.193) ; v2(64.973,43.967) 70.007,49.001 M3.3
  Bottom Layer w0.254: v3(23.862,42.193) 52.377,42.193 54.151,43.967 v2(64.973,43.967)
TIM8_CH4: M4.3 MCU1.10 | length 59.8
  Top Layer w0.254: MCU1.10@22.352,41.138 22.407,41.193 MCU1.10 v3(23.862,41.193) ; v2(69.663,27.001) M4.3
  Bottom Layer w0.254: v3(23.862,41.193) 32.975,41.193 38.1,36.068 64.948,36.068 68.377,32.639 68.377,28.287 v2(69.663,27.001)
Trig: MCU1.25 U3.2 | length 40.4
  Top Layer w0.254: MCU1.25 29.463,44.693 31.115,46.345 31.115,62.296 30.277,63.134 30.277,67.021 31.725,68.468 36.297,68.468 40.665,72.837 U3.2
UART2_RX: MCU1.60 P12.3 | length 39.1
  Top Layer w0.254: MCU1.60 67.548,48.193 71.272,51.918 71.272,55.55 71.933,56.21 71.933,66.878 68.783,70.028 P12.3
UART2_TX: MCU1.61 P12.4 | length 38.8
  Top Layer w0.254: MCU1.61 67.837,49.193 70.815,52.172 70.815,56.058 71.323,56.566 71.323,66.726 66.243,71.806 P12.4
UART3_RX: MCU1.20 U6.4 | length 25.8
  Top Layer w0.203: U6.4 19.588,27.555 19.588,29.992 21.59,31.994 21.59,33.645 23.749,35.804 23.749,38.598 24.844,39.693 MCU1.20
UART3_TX: MCU1.19 U6.3 | length 23.8
  Top Layer w0.203: U6.3 20.041,25.468 20.041,29.302 22.098,31.359 22.098,33.391 24.257,35.55 24.257,38.217 24.733,38.693 MCU1.19
VCC: C15.2 J1.1 J1.2 M1.8 M2.8 M3.8 M4.8 P13.1 R8.1 R9.1 | length 202.8
  Top Layer w0.254: C15.2 16.732,5.008 R9.1 22.098,3.302 23.006,4.21 R8.1 30.876,5.309 J1.1
  Top Layer w0.508: v4(3.353,36.322) 3.353,36.35 4.002,36.999 9.542,36.999 10.998,38.456 10.998,57.963 9.962,58.999 M1.8 ; M4.8 76.234,17.001 77.495,18.263 77.495,37.795 76.29,39.001 M3.8
  Top Layer w1.016: P13.1 1.068,9.498 1.068,5.028 5.08,1.016 29.591,1.016 31.115,2.54 ; J1.2 J1.1 31.115,2.54 ; M4.8 69.376,17.001 65.735,13.36 65.735,4.42 63.856,2.54 31.115,2.54
  Bottom Layer w0.508: P13.1 3.353,11.938 v4(3.353,36.322)
VDD: MCU1.62 P1.1 P2.1 R1.1 R2.1 R3.2 | length 33
  Top Layer w0.254: MCU1.62 68.1,50.193 69.977,52.07 R3.2 P2.1 69.977,66.339 70.231,66.593 v2(70.231,66.675) ; v2(72.46,67.507) R2.1 73.87,67.5 R1.1
  Bottom Layer w0.254: v2(70.231,66.675) 71.063,67.507 v2(72.46,67.507)
pads on no net: LED1.2 MCU1. MCU1.2 MCU1.15 MCU1.16 MCU1.30 MCU1.32 MCU1.39 MCU1.43 MCU1.44 MCU1.45 MCU1.46 MCU1.47 MCU1.48 MCU1.50 MCU1.51 MCU1.56 MCU1.57 U1.9 U5.0 U5.5 U5.6

## Polygon pours and split planes (outlines as drawn)
GND on Bottom Layer "NONET_L-01_P-001" (solid, remove dead copper, pour order 1): -13.518,89.793 91.482,89.793 91.482,-5.207 -13.518,-5.207
GND on Top Layer "NONET_L-01_P-001" (solid, remove dead copper, pour order 2): -15,87 94,87 94,-10 -15,-10

## Keep-outs
Keep-Out Layer:
  the board outline again, w0.508

## Silkscreen, mask and mechanical layers (free items; w line width, h text height)
Top Overlay:
  lines w0.254: 55.692,5.385 54.676,5.385 54.676,9.449 55.692,9.449
  text "1" at 24.638,77.587 h2.03 r180
  text "3" at 4.318,77.441 h2.03 r180
  text "2" at 24.765,73.015 h2.03 r180
  text "4" at 4.318,72.888 h2.03 r180
  text "IIC" at 53.848,71.849 h2.54 r180
  text "UART2" at 71.247,71.849 h2.54 r180
  text "超声波" at 42.672,71.738 h2.54 r180
  text "1" at 71.882,61.966 h2.03
  text "G" at 64.516,59.669 h1.52
  text "IO" at 66.803,59.669 h1.52
  text "V" at 69.596,59.656 h1.52
  text "2" at 71.882,57.267 h2.03
  text "AD/DA" at 62.498,56.378 h2.54 r90
  text "Motor1" at 8.456,52.984 h2.54 r270
  text "CS" at 15.699,50.839 h1.52
  text "SCK" at 15.773,48.325 h1.52
  text "MISO" at 15.8,45.785 h1.52
  text "CAVENDISH" at 33.02,44.085 h4.06
  text "MOSI" at 15.8,43.346 h1.52
  text "GND" at 15.826,40.629 h1.52
  text "Motor3" at 71.544,38.516 h2.54 r90
  text "5V" at 15.85,38.114 h1.52
  text "Motor2" at 8.456,36.984 h2.54 r270
  text "RGB" at 11.786,33.069 h2.54
  text "Blue_Tooth" at 11.684,22.86 h1.52
  text "Motor4" at 71.544,22.516 h2.54 r90
  text "-" at 17.922,19.413 h2.54 r180
  text "+" at 20.334,19.427 h2.03 r180
  text "<" at 16.368,19.319 h2.03 r90
  text "<" at 12.31,18.608 h2.03 r270
  text "Base" at 54.676,12.417 h5.08
  text "·Caven 3.14" at 56.073,8.348 h4.57
  text "·不死鸟-V8.0/妄想" at 56.073,4.474 h3.56
  text "JLCJLCJLCJLC" at 34.749,-0.286 h2.03
Bottom Overlay:
  text "先剪再焊" at 39.548,78.428 h2.03 r180
  text "+" at 77.599,71.743 h2.54 r180
  text "-" at 78.809,68.951 h3.56 r90
  text "C" at 77.366,65.534 h2.54 r270
  text "-" at 32.258,63.051 h3.56 r180
  text "1" at 47.371,62.982 h2.54 r180
  text "D" at 77.343,62.867 h2.54 r270
  text "+" at 34.546,61.841 h2.54 r270

## Dimensions
0,0 to 80,0 on Mechanical 15
0,80 to 0,0 on Mechanical 15

## Text inside footprints (layer, text, board x,y; h text height)
J1: Top Overlay "V" at 31.75,6.594 h2.54; Top Overlay "5V" at 36.195,6.505 h3.05; Top Overlay "G" at 41.912,6.617 h2.54; Top Overlay "IIC/GND" at 44.53,2.352 h2.03
J3: Top Overlay "-" at 55.368,72.323 h2.03; Top Overlay "+" at 51.939,73.797 h2.03 r180
P7: Top Overlay "IO" at 21.741,77.246 h2.03 r180; Top Overlay "V" at 18.771,77.263 h2.03 r180; Top Overlay "G" at 16.18,77.246 h2.03 r180
P8: Top Overlay "V" at 18.771,72.691 h2.03 r180; Top Overlay "IO" at 21.741,72.674 h2.03 r180; Top Overlay "G" at 16.18,72.674 h2.03 r180; Bottom Overlay "G" at 15.316,72.674 h2.03 r180; Bottom Overlay "V" at 17.805,72.691 h2.03 r180; Bottom Overlay "IO" at 19.916,72.685 h2.03 r180
P9: Top Overlay "IO" at 11.962,77.246 h2.03 r180; Top Overlay "V" at 8.992,77.263 h2.03 r180; Top Overlay "G" at 6.401,77.246 h2.03 r180
P10: Top Overlay "G" at 6.401,72.674 h2.03 r180; Top Overlay "IO" at 11.962,72.674 h2.03 r180; Top Overlay "V" at 8.992,72.691 h2.03 r180; Bottom Overlay "IO" at 10.137,72.685 h2.03 r180; Bottom Overlay "V" at 8.026,72.691 h2.03 r180; Bottom Overlay "G" at 5.537,72.674 h2.03 r180
P12: Top Overlay "<" at 68.024,73.548 h2.03 r270; Top Overlay "<" at 67.002,72.913 h2.03 r90; Top Overlay "+" at 73.431,73.797 h2.03 r180; Top Overlay "-" at 71.78,72.323 h2.03; Top Overlay "+" at 73.431,73.797 h2.03 r180; Top Overlay "-" at 71.78,72.323 h2.03
P13: Top Overlay "V" at 2.319,5.283 h2.54 r90; Top Overlay "G" at 2.279,18.136 h2.54 r90
U3: Top Overlay "-" at 46.202,72.323 h2.03; Top Overlay "+" at 37.693,73.797 h2.03 r180; Top Overlay "<" at 39.906,72.913 h2.03 r270; Top Overlay "<" at 43.964,73.548 h2.03 r90
U4: Top Overlay "+" at 11.318,58.639 h1.5
U5: Top Overlay "GND" at 34.29,12.055 h1 r90; Top Overlay "VCC" at 31.75,12.055 h1 r90